# KiCad board kimotor-project.kicad_pcb (continued)
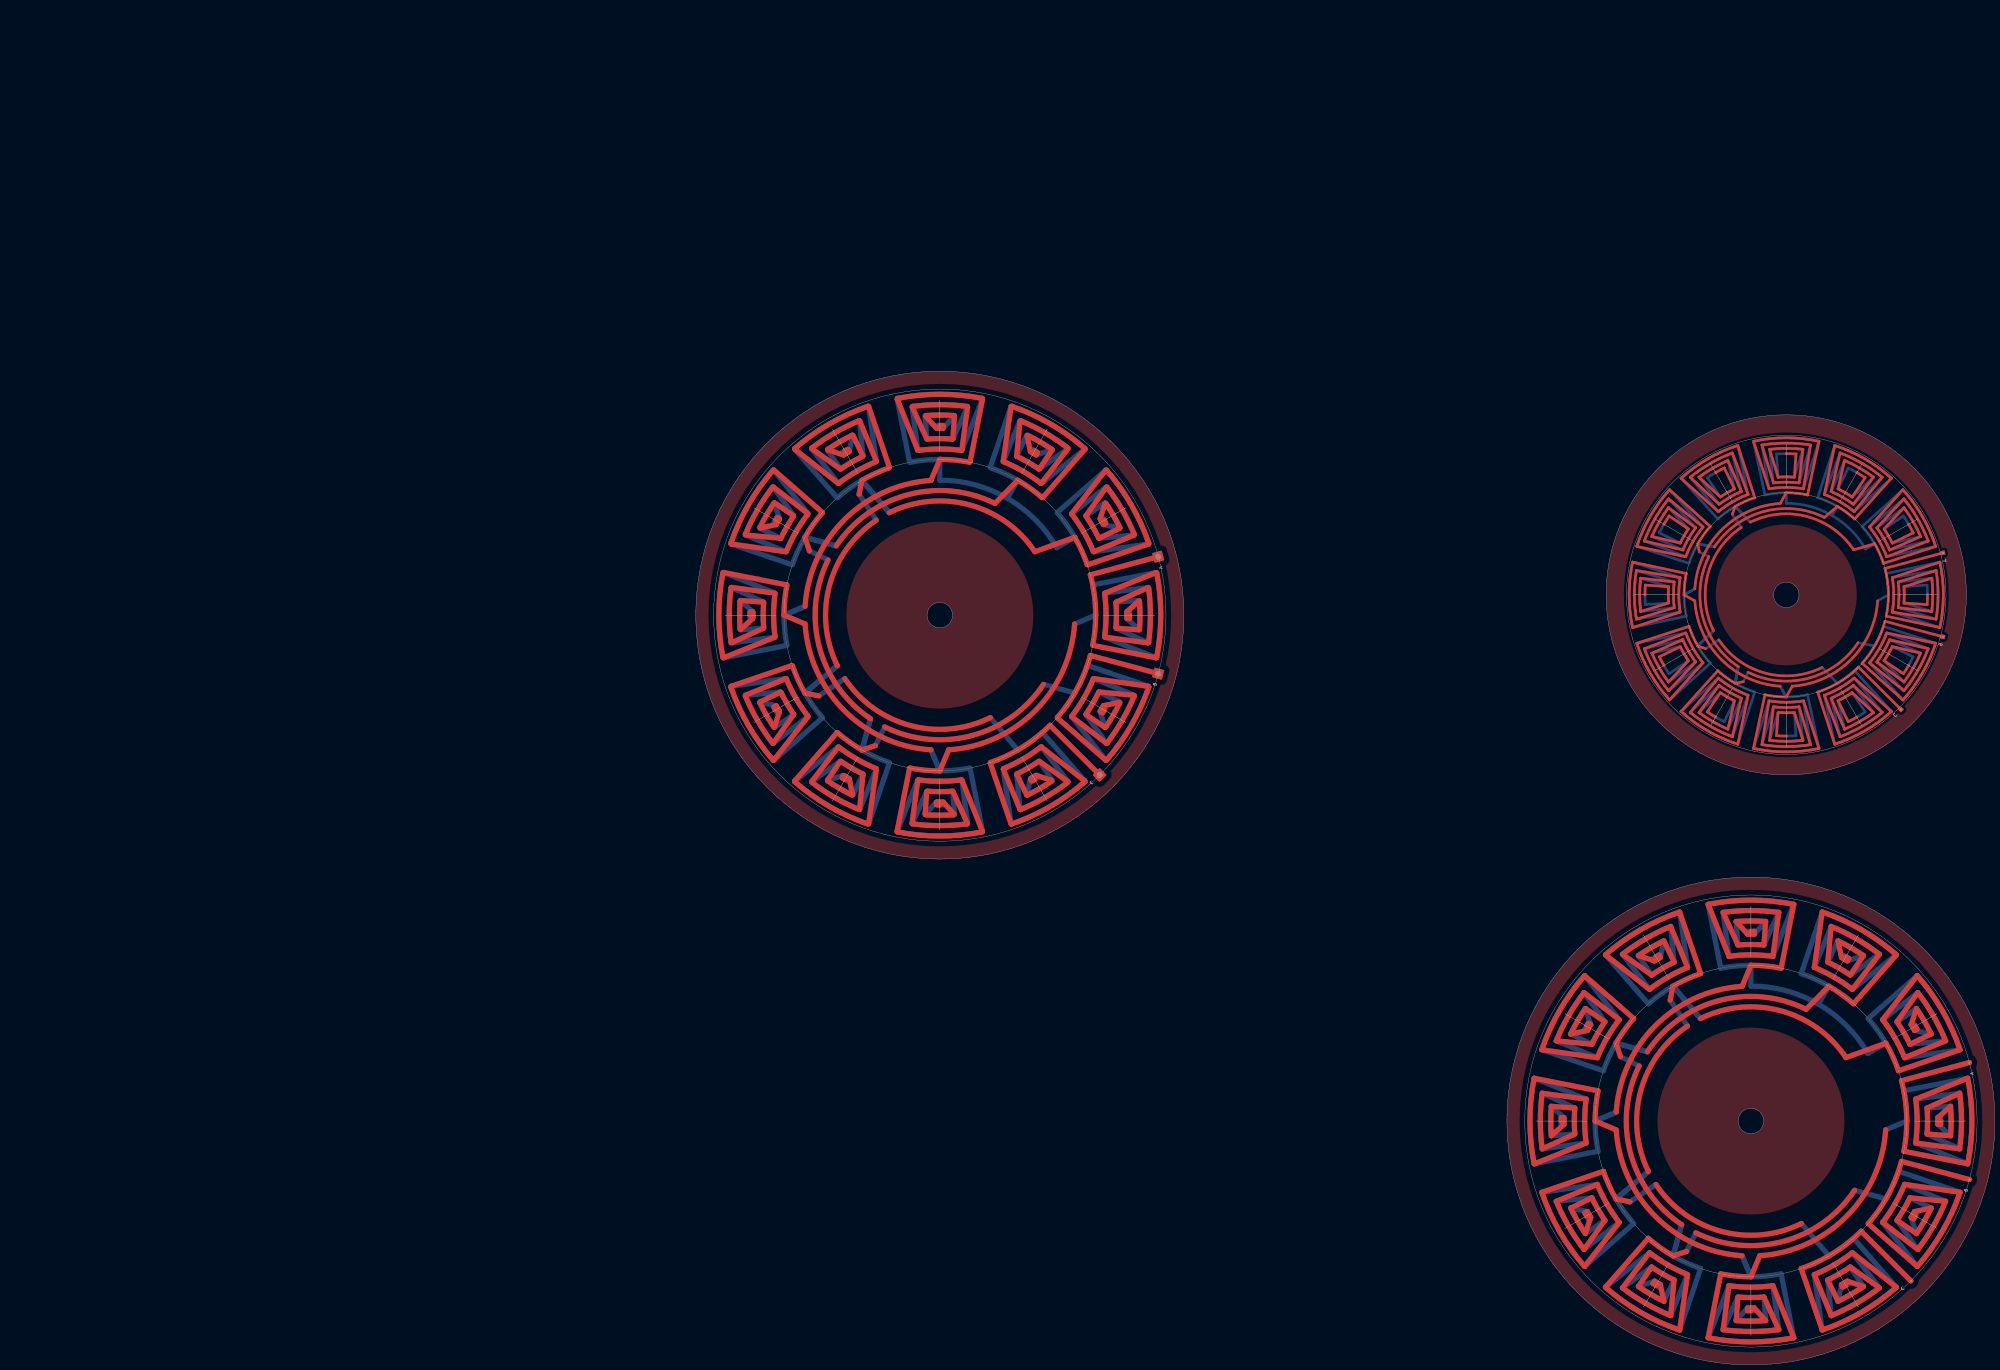
[diagram p0: board, top side]
## Routing (per net, layer and track width the routed paths; a pad name or vN(x,y) marks a point on that pad's centre or on a via; arc(x,y) is an arc through that point) (continued)
  In7.Cu w1.034: -193.41,387.36 -188.91,402.17 ; -193.41,387.36 -188.91,402.17 ; -193.41,387.36 -188.91,402.17 ; -193.41,387.36 -188.91,402.17 ; -193.41,387.36 -188.91,402.17 ; -193.41,387.36 -188.91,402.17 ; -193.41,387.36 -188.91,402.17 ; -193.41,387.36 arc(-183.89,386.59) -174.37,387.36 ; -193.41,387.36 arc(-183.89,386.59) -174.37,387.36 ; -193.41,387.36 arc(-183.89,386.59) -174.37,387.36 ; -193.41,387.36 arc(-183.89,386.59) -174.37,387.36 ; -193.41,387.36 arc(-183.89,386.59) -174.37,387.36 ; -193.41,387.36 arc(-183.89,386.59) -174.37,387.36 ; -193.41,387.36 arc(-183.89,386.59) -174.37,387.36 ; -188.91,402.17 -193.33,387.85 ; -188.91,402.17 -193.33,387.85 ; -188.91,402.17 arc(-183.89,401.89) -178.87,402.17 ; -188.91,402.17 arc(-183.89,401.89) -178.87,402.17 ; -188.91,402.17 arc(-183.89,401.89) -178.87,402.17 ; -188.91,402.17 arc(-183.89,401.89) -178.87,402.17 ; -188.91,402.17 arc(-183.89,401.89) -178.87,402.17 ; -188.91,402.17 arc(-183.89,401.89) -178.87,402.17 ; -188.91,402.17 arc(-183.89,401.89) -178.87,402.17 ; -188.91,402.17 arc(-183.89,401.89) -178.87,402.17 ; -188.91,402.17 arc(-183.89,401.89) -178.87,402.17 ; -190.63,487.55 -193.41,504.69 ; -190.63,487.55 -193.41,504.69 ; -190.63,487.55 -193.33,504.19 ; -190.63,487.55 -193.41,504.69 ; -190.63,487.55 -193.41,504.69 ; -190.63,487.55 -193.41,504.69 ; -190.63,487.55 -193.41,504.69 ; -190.63,487.55 -193.41,504.69 ; -190.63,487.55 -193.33,504.19 ; -190.63,487.55 arc(-183.89,488.09) -177.15,487.55 ; -190.63,487.55 arc(-183.89,488.09) -177.15,487.55 ; -190.63,487.55 arc(-183.89,488.09) -177.15,487.55 ; -190.63,487.55 arc(-183.89,488.09) -177.15,487.55 ; -190.63,487.55 arc(-183.89,488.09) -177.15,487.55 ; -190.63,487.55 arc(-183.89,488.09) -177.15,487.55 ; -190.63,487.55 arc(-183.89,488.09) -177.15,487.55 ; -190.63,487.55 arc(-183.89,488.09) -177.15,487.55 ; -190.63,487.55 arc(-183.89,488.09) -177.15,487.55 ; -193.41,504.69 arc(-183.89,505.45) -174.37,504.69 ; -193.41,504.69 arc(-183.89,505.45) -174.37,504.69 ; -193.41,504.69 arc(-183.89,505.45) -174.37,504.69 ; -193.41,504.69 arc(-183.89,505.45) -174.37,504.69 ; -193.41,504.69 arc(-183.89,505.45) -174.37,504.69 ; -193.41,504.69 arc(-183.89,505.45) -174.37,504.69 ; -193.41,504.69 arc(-183.89,505.45) -174.37,504.69 ; -154.18,472.81 -138.21,487.2 ; -154.18,472.81 -138.21,487.2 ; -154.18,472.81 -138.21,487.2 ; -154.18,472.81 -138.21,487.2 ; -154.18,472.81 -138.58,486.87 ; -154.18,472.81 -138.21,487.2 ; -154.18,472.81 -138.21,487.2 ; -154.18,472.81 -138.21,487.2 ; -154.18,472.81 -138.58,486.87 ; -154.18,472.81 arc(-146.94,461.33) -149.25,466.02 ; -154.18,472.81 arc(-146.94,461.33) -149.25,466.02 ; -154.18,472.81 arc(-146.94,461.33) -149.25,466.02 ; -154.18,472.81 arc(-146.94,461.33) -149.25,466.02 ; -154.18,472.81 arc(-146.94,461.33) -149.25,466.02 ; -154.18,472.81 arc(-146.94,461.33) -149.25,466.02 ; -154.18,472.81 arc(-146.94,461.33) -149.25,466.02 ; -154.18,472.81 arc(-146.94,461.33) -149.25,466.02 ; -154.18,472.81 arc(-146.94,461.33) -149.25,466.02 ; -138.21,487.2 arc(-130.63,476.77) -125.39,464.99 ; -138.21,487.2 arc(-130.63,476.77) -125.39,464.99 ; -138.21,487.2 arc(-130.63,476.77) -125.39,464.99 ; -138.21,487.2 arc(-130.63,476.77) -125.39,464.99 ; -138.21,487.2 arc(-130.63,476.77) -125.39,464.99 ; -138.21,487.2 arc(-130.63,476.77) -125.39,464.99 ; -138.21,487.2 arc(-130.63,476.77) -125.39,464.99 ; -162.8,390.46 -166.31,405.54 ; -162.8,390.46 -166.31,405.54 ; -162.8,390.46 -166.31,405.54 ; -162.8,390.46 -166.31,405.54 ; -162.8,390.46 -166.31,405.54 ; -162.8,390.46 -166.31,405.54 ; -162.8,390.46 -166.31,405.54 ; -162.8,390.46 arc(-154.17,394.55) -146.31,399.98 ; -162.8,390.46 arc(-154.17,394.55) -146.31,399.98 ; -162.8,390.46 arc(-154.17,394.55) -146.31,399.98 ; -162.8,390.46 arc(-154.17,394.55) -146.31,399.98 ; -162.8,390.46 arc(-154.17,394.55) -146.31,399.98 ; -162.8,390.46 arc(-154.17,394.55) -146.31,399.98 ; -162.8,390.46 arc(-154.17,394.55) -146.31,399.98 ; -166.31,405.54 -162.98,390.92 ; -166.31,405.54 -162.98,390.92 ; -166.31,405.54 arc(-161.82,407.8) -157.62,410.56 ; -166.31,405.54 arc(-161.82,407.8) -157.62,410.56 ; -166.31,405.54 arc(-161.82,407.8) -157.62,410.56 ; -166.31,405.54 arc(-161.82,407.8) -157.62,410.56 ; -166.31,405.54 arc(-161.82,407.8) -157.62,410.56 ; -166.31,405.54 arc(-161.82,407.8) -157.62,410.56 ; -166.31,405.54 arc(-161.82,407.8) -157.62,410.56 ; -166.31,405.54 arc(-161.82,407.8) -157.62,410.56 ; -166.31,405.54 arc(-161.82,407.8) -157.62,410.56 ; -221.94,458.36 -242.39,464.99 ; -221.94,458.36 -242.39,464.99 ; -221.94,458.36 -242.39,464.99 ; -221.94,458.36 -241.92,464.83 ; -221.94,458.36 -242.39,464.99 ; -221.94,458.36 -242.39,464.99 ; -221.94,458.36 -242.39,464.99 ; -221.94,458.36 -242.39,464.99 ; -221.94,458.36 -241.92,464.83 ; -221.94,458.36 arc(-215.62,470.37) -218.53,466.02 ; -221.94,458.36 arc(-215.62,470.37) -218.53,466.02 ; -221.94,458.36 arc(-215.62,470.37) -218.53,466.02 ; -221.94,458.36 arc(-215.62,470.37) -218.53,466.02 ; -221.94,458.36 arc(-215.62,470.37) -218.53,466.02 ; -221.94,458.36 arc(-215.62,470.37) -218.53,466.02 ; -221.94,458.36 arc(-215.62,470.37) -218.53,466.02 ; -221.94,458.36 arc(-215.62,470.37) -218.53,466.02 ; -221.94,458.36 arc(-215.62,470.37) -218.53,466.02 ; -242.39,464.99 arc(-237.15,476.77) -229.57,487.2 ; -242.39,464.99 arc(-237.15,476.77) -229.57,487.2 ; -242.39,464.99 arc(-237.15,476.77) -229.57,487.2 ; -242.39,464.99 arc(-237.15,476.77) -229.57,487.2 ; -242.39,464.99 arc(-237.15,476.77) -229.57,487.2 ; -242.39,464.99 arc(-237.15,476.77) -229.57,487.2 ; -242.39,464.99 arc(-237.15,476.77) -229.57,487.2 ; -221.47,399.98 -210.16,410.56 ; -221.47,399.98 -210.16,410.56 ; -221.47,399.98 -210.16,410.56 ; -221.47,399.98 -210.16,410.56 ; -221.47,399.98 -210.16,410.56 ; -221.47,399.98 -210.16,410.56 ; -221.47,399.98 -210.16,410.56 ; -221.47,399.98 arc(-213.61,394.55) -204.98,390.46 ; -221.47,399.98 arc(-213.61,394.55) -204.98,390.46 ; -221.47,399.98 arc(-213.61,394.55) -204.98,390.46 ; -221.47,399.98 arc(-213.61,394.55) -204.98,390.46 ; -221.47,399.98 arc(-213.61,394.55) -204.98,390.46 ; -221.47,399.98 arc(-213.61,394.55) -204.98,390.46 ; -221.47,399.98 arc(-213.61,394.55) -204.98,390.46 ; -210.16,410.56 -221.15,400.36 ; -210.16,410.56 -221.15,400.36 ; -210.16,410.56 arc(-205.96,407.8) -201.47,405.54 ; -210.16,410.56 arc(-205.96,407.8) -201.47,405.54 ; -210.16,410.56 arc(-205.96,407.8) -201.47,405.54 ; -210.16,410.56 arc(-205.96,407.8) -201.47,405.54 ; -210.16,410.56 arc(-205.96,407.8) -201.47,405.54 ; -210.16,410.56 arc(-205.96,407.8) -201.47,405.54 ; -210.16,410.56 arc(-205.96,407.8) -201.47,405.54 ; -210.16,410.56 arc(-205.96,407.8) -201.47,405.54 ; -210.16,410.56 arc(-205.96,407.8) -201.47,405.54 ; -126.9,439.49 -137.8,442.82 ; -126.9,439.49 -137.8,442.82 ; -126.9,439.49 -137.8,442.82 ; -126.9,439.49 -137.8,442.82 ; -126.9,439.49 -137.8,442.82 ; -126.9,439.49 -137.8,442.82 ; -126.9,439.49 -137.8,442.82 ; -126.9,439.49 arc(-126.53,446.02) -126.9,452.55 ; -126.9,439.49 arc(-126.53,446.02) -126.9,452.55 ; -126.9,439.49 arc(-126.53,446.02) -126.9,452.55 ; -126.9,439.49 arc(-126.53,446.02) -126.9,452.55 ; -126.9,439.49 arc(-126.53,446.02) -126.9,452.55 ; -126.9,439.49 arc(-126.53,446.02) -126.9,452.55 ; -126.9,439.49 arc(-126.53,446.02) -126.9,452.55 ; -137.8,442.82 -127.4,439.55 ; -137.8,442.82 -127.4,439.55 ; -137.8,442.82 arc(-137.69,446.02) -137.8,449.22 ; -137.8,442.82 arc(-137.69,446.02) -137.8,449.22 ; -137.8,442.82 arc(-137.69,446.02) -137.8,449.22 ; -137.8,442.82 arc(-137.69,446.02) -137.8,449.22 ; -137.8,442.82 arc(-137.69,446.02) -137.8,449.22 ; -137.8,442.82 arc(-137.69,446.02) -137.8,449.22 ; -137.8,442.82 arc(-137.69,446.02) -137.8,449.22 ; -137.8,442.82 arc(-137.69,446.02) -137.8,449.22 ; -137.8,442.82 arc(-137.69,446.02) -137.8,449.22 ; -236.51,423.18 -225.41,425.74 ; -236.51,423.18 -225.41,425.74 ; -236.51,423.18 -225.41,425.74 ; -236.51,423.18 -225.41,425.74 ; -236.51,423.18 -225.41,425.74 ; -236.51,423.18 -225.41,425.74 ; -236.51,423.18 -225.41,425.74 ; -236.51,423.18 arc(-233.57,417.34) -229.98,411.87 ; -236.51,423.18 arc(-233.57,417.34) -229.98,411.87 ; -236.51,423.18 arc(-233.57,417.34) -229.98,411.87 ; -236.51,423.18 arc(-233.57,417.34) -229.98,411.87 ; -236.51,423.18 arc(-233.57,417.34) -229.98,411.87 ; -236.51,423.18 arc(-233.57,417.34) -229.98,411.87 ; -236.51,423.18 arc(-233.57,417.34) -229.98,411.87 ; -225.41,425.74 -236.05,423.38 ; -225.41,425.74 -236.05,423.38 ; -225.41,425.74 arc(-223.9,422.92) -222.21,420.21 ; -225.41,425.74 arc(-223.9,422.92) -222.21,420.21 ; -225.41,425.74 arc(-223.9,422.92) -222.21,420.21 ; -225.41,425.74 arc(-223.9,422.92) -222.21,420.21 ; -225.41,425.74 arc(-223.9,422.92) -222.21,420.21 ; -225.41,425.74 arc(-223.9,422.92) -222.21,420.21 ; -225.41,425.74 arc(-223.9,422.92) -222.21,420.21 ; -225.41,425.74 arc(-223.9,422.92) -222.21,420.21 ; -225.41,425.74 arc(-223.9,422.92) -222.21,420.21 ; -229.98,480.17 -222.21,471.84 ; -229.98,480.17 -222.21,471.84 ; -229.98,480.17 -222.21,471.84 ; -229.98,480.17 -222.21,471.84 ; -229.98,480.17 -222.21,471.84 ; -229.98,480.17 -222.21,471.84 ; -229.98,480.17 -222.21,471.84 ; -229.98,480.17 arc(-233.57,474.7) -236.51,468.87 ; -229.98,480.17 arc(-233.57,474.7) -236.51,468.87 ; -229.98,480.17 arc(-233.57,474.7) -236.51,468.87 ; -229.98,480.17 arc(-233.57,474.7) -236.51,468.87 ; -229.98,480.17 arc(-233.57,474.7) -236.51,468.87 ; -229.98,480.17 arc(-233.57,474.7) -236.51,468.87 ; -229.98,480.17 arc(-233.57,474.7) -236.51,468.87 ; -222.21,471.84 -229.58,479.87 ; -222.21,471.84 -229.58,479.87 ; -222.21,471.84 arc(-223.9,469.12) -225.41,466.3 ; -222.21,471.84 arc(-223.9,469.12) -225.41,466.3 ; -222.21,471.84 arc(-223.9,469.12) -225.41,466.3 ; -222.21,471.84 arc(-223.9,469.12) -225.41,466.3 ; -222.21,471.84 arc(-223.9,469.12) -225.41,466.3 ; -222.21,471.84 arc(-223.9,469.12) -225.41,466.3 ; -222.21,471.84 arc(-223.9,469.12) -225.41,466.3 ; -222.21,471.84 arc(-223.9,469.12) -225.41,466.3 ; -222.21,471.84 arc(-223.9,469.12) -225.41,466.3 ; -196.23,407.97 -202.7,388 ; -196.23,407.97 -202.86,387.52 ; -196.23,407.97 -202.86,387.52 ; -196.23,407.97 -202.86,387.52 ; -196.23,407.97 -202.86,387.52 ; -196.23,407.97 -202.86,387.52 ; -196.23,407.97 -202.86,387.52 ; -196.23,407.97 -202.86,387.52 ; -196.23,407.97 -202.7,388 ; -196.23,407.97 arc(-208.24,414.29) -203.89,411.38 ; -196.23,407.97 arc(-208.24,414.29) -203.89,411.38 ; -196.23,407.97 arc(-208.24,414.29) -203.89,411.38 ; -196.23,407.97 arc(-208.24,414.29) -203.89,411.38 ; -196.23,407.97 arc(-208.24,414.29) -203.89,411.38 ; -196.23,407.97 arc(-208.24,414.29) -203.89,411.38 ; -196.23,407.97 arc(-208.24,414.29) -203.89,411.38 ; -196.23,407.97 arc(-208.24,414.29) -203.89,411.38 ; -196.23,407.97 arc(-208.24,414.29) -203.89,411.38 ; -202.7,388 arc(-214.39,393.19) -224.74,400.72 ; -202.7,388 arc(-214.39,393.19) -224.74,400.72 ; -157.29,413.43 -146.31,399.98 ; -157.29,413.43 -146.63,400.36 ; -157.29,413.43 -146.63,400.36 ; -157.29,413.43 -146.31,399.98 ; -157.29,413.43 -146.31,399.98 ; -157.29,413.43 -146.31,399.98 ; -157.29,413.43 -146.31,399.98 ; -157.29,413.43 -146.31,399.98 ; -157.29,413.43 -146.31,399.98 ; -157.29,413.43 arc(-162.86,409.59) -168.96,406.69 ; -157.29,413.43 arc(-162.86,409.59) -168.96,406.69 ; -157.29,413.43 arc(-162.86,409.59) -168.96,406.69 ; -157.29,413.43 arc(-162.86,409.59) -168.96,406.69 ; -157.29,413.43 arc(-162.86,409.59) -168.96,406.69 ; -157.29,413.43 arc(-162.86,409.59) -168.96,406.69 ; -157.29,413.43 arc(-162.86,409.59) -168.96,406.69 ; -157.29,413.43 arc(-162.86,409.59) -168.96,406.69 ; -157.29,413.43 arc(-162.86,409.59) -168.96,406.69 ; -225.41,466.3 -233.58,470.29 ; -225.41,466.3 -233.58,470.29 ; -225.41,466.3 -233.58,470.29 ; -225.41,466.3 -233.58,470.29 ; -225.41,466.3 -233.58,470.29 ; -225.41,466.3 -233.58,470.29 ; -225.41,466.3 -233.13,470.07 ; -225.41,466.3 -233.13,470.07 ; -225.41,466.3 -233.58,470.29 ; -233.58,470.29 arc(-227.76,479.68) -231.78,473.67 ; -233.58,470.29 arc(-227.76,479.68) -231.78,473.67 ; -233.58,470.29 arc(-227.76,479.68) -231.78,473.67 ; -233.58,470.29 arc(-227.76,479.68) -231.78,473.67 ; -233.58,470.29 arc(-227.76,479.68) -231.78,473.67 ; -233.58,470.29 arc(-227.76,479.68) -231.78,473.67 ; -233.58,470.29 arc(-227.76,479.68) -231.78,473.67 ; -198.82,406.69 -204.98,390.46 ; -198.82,406.69 -204.98,390.46 ; -198.82,406.69 -204.98,390.46 ; -198.82,406.69 -204.8,390.92 ; -198.82,406.69 -204.98,390.46 ; -198.82,406.69 -204.98,390.46 ; -198.82,406.69 -204.8,390.92 ; -198.82,406.69 -204.98,390.46 ; -198.82,406.69 -204.98,390.46 ; -198.82,406.69 arc(-204.92,409.59) -210.49,413.43 ; -198.82,406.69 arc(-204.92,409.59) -210.49,413.43 ; -198.82,406.69 arc(-204.92,409.59) -210.49,413.43 ; -198.82,406.69 arc(-204.92,409.59) -210.49,413.43 ; -198.82,406.69 arc(-204.92,409.59) -210.49,413.43 ; -198.82,406.69 arc(-204.92,409.59) -210.49,413.43 ; -198.82,406.69 arc(-204.92,409.59) -210.49,413.43 ; -198.82,406.69 arc(-204.92,409.59) -210.49,413.43 ; -198.82,406.69 arc(-204.92,409.59) -210.49,413.43 ; -216.48,419.42 -229.93,408.44 ; -216.48,419.42 -229.93,408.44 ; -216.48,419.42 -229.55,408.76 ; -216.48,419.42 -229.93,408.44 ; -216.48,419.42 -229.93,408.44 ; -216.48,419.42 -229.93,408.44 ; -216.48,419.42 -229.93,408.44 ; -216.48,419.42 -229.93,408.44 ; -216.48,419.42 -229.55,408.76 ; -216.48,419.42 arc(-220.32,424.99) -223.22,431.1 ; -216.48,419.42 arc(-220.32,424.99) -223.22,431.1 ; -216.48,419.42 arc(-220.32,424.99) -223.22,431.1 ; -216.48,419.42 arc(-220.32,424.99) -223.22,431.1 ; -216.48,419.42 arc(-220.32,424.99) -223.22,431.1 ; -216.48,419.42 arc(-220.32,424.99) -223.22,431.1 ; -216.48,419.42 arc(-220.32,424.99) -223.22,431.1 ; -216.48,419.42 arc(-220.32,424.99) -223.22,431.1 ; -216.48,419.42 arc(-220.32,424.99) -223.22,431.1 ; -229.93,408.44 arc(-235.36,416.31) -239.46,424.94 ; -229.93,408.44 arc(-235.36,416.31) -239.46,424.94 ; -229.93,408.44 arc(-235.36,416.31) -239.46,424.94 ; -229.93,408.44 arc(-235.36,416.31) -239.46,424.94 ; -229.93,408.44 arc(-235.36,416.31) -239.46,424.94 ; -229.93,408.44 arc(-235.36,416.31) -239.46,424.94 ; -229.93,408.44 arc(-235.36,416.31) -239.46,424.94 ; -164.92,387.52 -168.96,406.69 ; -164.92,387.52 -168.96,406.69 ; -164.92,387.52 -168.96,406.69 ; -164.92,387.52 -168.96,406.69 ; -164.92,387.52 -168.96,406.69 ; -164.92,387.52 -168.96,406.69 ; -164.92,387.52 -168.96,406.69 ; -164.92,387.52 arc(-153.14,392.76) -142.71,400.34 ; -164.92,387.52 arc(-153.14,392.76) -142.71,400.34 ; -164.92,387.52 arc(-153.14,392.76) -142.71,400.34 ; -164.92,387.52 arc(-153.14,392.76) -142.71,400.34 ; -164.92,387.52 arc(-153.14,392.76) -142.71,400.34 ; -164.92,387.52 arc(-153.14,392.76) -142.71,400.34 ; -164.92,387.52 arc(-153.14,392.76) -142.71,400.34 ; -168.96,406.69 -165.08,388 ; -168.96,406.69 -165.08,388 ; -177.15,404.5 -174.37,387.36 ; -177.15,404.5 -174.37,387.36 ; -177.15,404.5 -174.37,387.36 ; -177.15,404.5 -174.37,387.36 ; -177.15,404.5 -174.37,387.36 ; -177.15,404.5 -174.37,387.36 ; -177.15,404.5 -174.37,387.36 ; -177.15,404.5 -174.45,387.85 ; -177.15,404.5 -174.45,387.85 ; -177.15,404.5 arc(-183.89,403.95) -190.63,404.5 ; -177.15,404.5 arc(-183.89,403.95) -190.63,404.5 ; -177.15,404.5 arc(-183.89,403.95) -190.63,404.5 ; -177.15,404.5 arc(-183.89,403.95) -190.63,404.5 ; -177.15,404.5 arc(-183.89,403.95) -190.63,404.5 ; -177.15,404.5 arc(-183.89,403.95) -190.63,404.5 ; -177.15,404.5 arc(-183.89,403.95) -190.63,404.5 ; -177.15,404.5 arc(-183.89,403.95) -190.63,404.5 ; -177.15,404.5 arc(-183.89,403.95) -190.63,404.5 ; -131.27,468.87 -142.37,466.3 ; -131.27,468.87 -142.37,466.3 ; -131.27,468.87 -142.37,466.3 ; -131.27,468.87 -142.37,466.3 ; -131.27,468.87 -142.37,466.3 ; -131.27,468.87 -142.37,466.3 ; -131.27,468.87 -142.37,466.3 ; -131.27,468.87 arc(-134.21,474.7) -137.8,480.17 ; -131.27,468.87 arc(-134.21,474.7) -137.8,480.17 ; -131.27,468.87 arc(-134.21,474.7) -137.8,480.17 ; -131.27,468.87 arc(-134.21,474.7) -137.8,480.17 ; -131.27,468.87 arc(-134.21,474.7) -137.8,480.17 ; -131.27,468.87 arc(-134.21,474.7) -137.8,480.17 ; -131.27,468.87 arc(-134.21,474.7) -137.8,480.17 ; -142.37,466.3 -131.73,468.67 ; -142.37,466.3 -131.73,468.67 ; -142.37,466.3 arc(-143.88,469.12) -145.57,471.84 ; -142.37,466.3 arc(-143.88,469.12) -145.57,471.84 ; -142.37,466.3 arc(-143.88,469.12) -145.57,471.84 ; -142.37,466.3 arc(-143.88,469.12) -145.57,471.84 ; -142.37,466.3 arc(-143.88,469.12) -145.57,471.84 ; -142.37,466.3 arc(-143.88,469.12) -145.57,471.84 ; -142.37,466.3 arc(-143.88,469.12) -145.57,471.84 ; -142.37,466.3 arc(-143.88,469.12) -145.57,471.84 ; -142.37,466.3 arc(-143.88,469.12) -145.57,471.84 ; -239.46,424.94 -224.38,428.45 ; -239.46,424.94 -224.38,428.45 ; -239.46,424.94 -224.38,428.45 ; -239.46,424.94 -224.38,428.45 ; -239.46,424.94 -224.38,428.45 ; -239.46,424.94 -224.38,428.45 ; -239.46,424.94 -224.38,428.45 ; -224.38,428.45 -238.99,425.11 ; -224.38,428.45 -238.99,425.11 ; -224.38,428.45 arc(-222.11,423.95) -219.35,419.75 ; -224.38,428.45 arc(-222.11,423.95) -219.35,419.75 ; -224.38,428.45 arc(-222.11,423.95) -219.35,419.75 ; -224.38,428.45 arc(-222.11,423.95) -219.35,419.75 ; -224.38,428.45 arc(-222.11,423.95) -219.35,419.75 ; -224.38,428.45 arc(-222.11,423.95) -219.35,419.75 ; -224.38,428.45 arc(-222.11,423.95) -219.35,419.75 ; -224.38,428.45 arc(-222.11,423.95) -219.35,419.75 ; -224.38,428.45 arc(-222.11,423.95) -219.35,419.75 ; -166.31,486.51 -161.05,498.64 ; -166.31,486.51 -161.05,498.64 ; -166.31,486.51 -161.05,498.64 ; -166.31,486.51 -161.25,498.18 ; -166.31,486.51 -161.25,498.18 ; -166.31,486.51 -161.05,498.64 ; -166.31,486.51 -161.05,498.64 ; -166.31,486.51 -161.05,498.64 ; -166.31,486.51 -161.05,498.64 ; -166.31,486.51 arc(-161.82,484.24) -157.62,481.49 ; -166.31,486.51 arc(-161.82,484.24) -157.62,481.49 ; -166.31,486.51 arc(-161.82,484.24) -157.62,481.49 ; -166.31,486.51 arc(-161.82,484.24) -157.62,481.49 ; -166.31,486.51 arc(-161.82,484.24) -157.62,481.49 ; -166.31,486.51 arc(-161.82,484.24) -157.62,481.49 ; -166.31,486.51 arc(-161.82,484.24) -157.62,481.49 ; -166.31,486.51 arc(-161.82,484.24) -157.62,481.49 ; -166.31,486.51 arc(-161.82,484.24) -157.62,481.49 ; -161.05,498.64 arc(-155.21,495.7) -149.74,492.11 ; -161.05,498.64 arc(-155.21,495.7) -149.74,492.11 ; -161.05,498.64 arc(-155.21,495.7) -149.74,492.11 ; -161.05,498.64 arc(-155.21,495.7) -149.74,492.11 ; -161.05,498.64 arc(-155.21,495.7) -149.74,492.11 ; -161.05,498.64 arc(-155.21,495.7) -149.74,492.11 ; -161.05,498.64 arc(-155.21,495.7) -149.74,492.11 ; -223.01,437.68 -243.55,433.3 ; -223.01,437.68 -244.04,433.2 ; -223.01,437.68 -244.04,433.2 ; -223.01,437.68 -244.04,433.2 ; -223.01,437.68 -244.04,433.2 ; -223.01,437.68 -244.04,433.2 ; -223.01,437.68 -244.04,433.2 ; -223.01,437.68 -244.04,433.2 ; -223.01,437.68 -243.55,433.3 ; -223.01,437.68 arc(-223.55,451.24) -223.89,446.02 ; -223.01,437.68 arc(-223.55,451.24) -223.89,446.02 ; -223.01,437.68 arc(-223.55,451.24) -223.89,446.02 ; -223.01,437.68 arc(-223.55,451.24) -223.89,446.02 ; -223.01,437.68 arc(-223.55,451.24) -223.89,446.02 ; -223.01,437.68 arc(-223.55,451.24) -223.89,446.02 ; -223.01,437.68 arc(-223.55,451.24) -223.89,446.02 ; -223.01,437.68 arc(-223.55,451.24) -223.89,446.02 ; -223.01,437.68 arc(-223.55,451.24) -223.89,446.02 ; -243.55,433.3 arc(-244.89,446.02) -243.55,458.74 ; -243.55,433.3 arc(-244.89,446.02) -243.55,458.74 ; -148.43,472.3 -138.2,479.87 ; -148.43,472.3 -137.8,480.17 ; -148.43,472.3 -137.8,480.17 ; -148.43,472.3 -137.8,480.17 ; -148.43,472.3 -138.2,479.87 ; -148.43,472.3 -137.8,480.17 ; -148.43,472.3 -137.8,480.17 ; -148.43,472.3 -137.8,480.17 ; -148.43,472.3 -137.8,480.17 ; -148.43,472.3 arc(-145.67,468.09) -143.41,463.6 ; -148.43,472.3 arc(-145.67,468.09) -143.41,463.6 ; -148.43,472.3 arc(-145.67,468.09) -143.41,463.6 ; -148.43,472.3 arc(-145.67,468.09) -143.41,463.6 ; -148.43,472.3 arc(-145.67,468.09) -143.41,463.6 ; -148.43,472.3 arc(-145.67,468.09) -143.41,463.6 ; -148.43,472.3 arc(-145.67,468.09) -143.41,463.6 ; -148.43,472.3 arc(-145.67,468.09) -143.41,463.6 ; -148.43,472.3 arc(-145.67,468.09) -143.41,463.6 ; -138.2,479.87 arc(-134.64,474.45) -131.73,468.67 ; -138.2,479.87 arc(-134.64,474.45) -131.73,468.67 ; -223.22,460.95 -239.46,467.11 ; -223.22,460.95 -239.46,467.11 ; -223.22,460.95 -238.99,466.93 ; -223.22,460.95 -239.46,467.11 ; -223.22,460.95 -239.46,467.11 ; -223.22,460.95 -239.46,467.11 ; -223.22,460.95 -239.46,467.11 ; -223.22,460.95 -238.99,466.93 ; -223.22,460.95 -239.46,467.11 ; -223.22,460.95 arc(-220.32,467.06) -216.48,472.62 ; -223.22,460.95 arc(-220.32,467.06) -216.48,472.62 ; -223.22,460.95 arc(-220.32,467.06) -216.48,472.62 ; -223.22,460.95 arc(-220.32,467.06) -216.48,472.62 ; -223.22,460.95 arc(-220.32,467.06) -216.48,472.62 ; -223.22,460.95 arc(-220.32,467.06) -216.48,472.62 ; -223.22,460.95 arc(-220.32,467.06) -216.48,472.62 ; -223.22,460.95 arc(-220.32,467.06) -216.48,472.62 ; -223.22,460.95 arc(-220.32,467.06) -216.48,472.62 ; -239.46,467.11 arc(-235.36,475.74) -229.93,483.6 ; -239.46,467.11 arc(-235.36,475.74) -229.93,483.6 ; -239.46,467.11 arc(-235.36,475.74) -229.93,483.6 ; -239.46,467.11 arc(-235.36,475.74) -229.93,483.6 ; -239.46,467.11 arc(-235.36,475.74) -229.93,483.6 ; -239.46,467.11 arc(-235.36,475.74) -229.93,483.6 ; -239.46,467.11 arc(-235.36,475.74) -229.93,483.6 ; -210.67,475.73 -225.07,491.7 ; -210.67,475.73 -225.07,491.7 ; -210.67,475.73 -225.07,491.7 ; -210.67,475.73 -224.74,491.33 ; -210.67,475.73 -225.07,491.7 ; -210.67,475.73 -225.07,491.7 ; -210.67,475.73 -224.74,491.33 ; -210.67,475.73 -225.07,491.7 ; -210.67,475.73 -225.07,491.7 ; -210.67,475.73 arc(-199.2,482.98) -203.89,480.66 ; -210.67,475.73 arc(-199.2,482.98) -203.89,480.66 ; -210.67,475.73 arc(-199.2,482.98) -203.89,480.66 ; -210.67,475.73 arc(-199.2,482.98) -203.89,480.66 ; -210.67,475.73 arc(-199.2,482.98) -203.89,480.66 ; -210.67,475.73 arc(-199.2,482.98) -203.89,480.66 ; -210.67,475.73 arc(-199.2,482.98) -203.89,480.66 ; -210.67,475.73 arc(-199.2,482.98) -203.89,480.66 ; -210.67,475.73 arc(-199.2,482.98) -203.89,480.66 ; -225.07,491.7 arc(-214.64,499.28) -202.86,504.52 ; -225.07,491.7 arc(-214.64,499.28) -202.86,504.52 ; -225.07,491.7 arc(-214.64,499.28) -202.86,504.52 ; -225.07,491.7 arc(-214.64,499.28) -202.86,504.52 ; -225.07,491.7 arc(-214.64,499.28) -202.86,504.52 ; -225.07,491.7 arc(-214.64,499.28) -202.86,504.52 ; -225.07,491.7 arc(-214.64,499.28) -202.86,504.52 ; -210.16,481.49 -218.04,492.11 ; -210.16,481.49 -218.04,492.11 ; -210.16,481.49 -218.04,492.11 ; -210.16,481.49 -218.04,492.11 ; -210.16,481.49 -218.04,492.11 ; -210.16,481.49 -217.74,491.71 ; -210.16,481.49 -218.04,492.11 ; -210.16,481.49 -217.74,491.71 ; -210.16,481.49 -218.04,492.11 ; -210.16,481.49 arc(-205.96,484.24) -201.47,486.51 ; -210.16,481.49 arc(-205.96,484.24) -201.47,486.51 ; -210.16,481.49 arc(-205.96,484.24) -201.47,486.51 ; -210.16,481.49 arc(-205.96,484.24) -201.47,486.51 ; -210.16,481.49 arc(-205.96,484.24) -201.47,486.51 ; -210.16,481.49 arc(-205.96,484.24) -201.47,486.51 ; -210.16,481.49 arc(-205.96,484.24) -201.47,486.51 ; -210.16,481.49 arc(-205.96,484.24) -201.47,486.51 ; -210.16,481.49 arc(-205.96,484.24) -201.47,486.51 ; -218.04,492.11 arc(-212.57,495.7) -206.73,498.64 ; -218.04,492.11 arc(-212.57,495.7) -206.73,498.64 ; -218.04,492.11 arc(-212.57,495.7) -206.73,498.64 ; -218.04,492.11 arc(-212.57,495.7) -206.73,498.64 ; -218.04,492.11 arc(-212.57,495.7) -206.73,498.64 ; -218.04,492.11 arc(-212.57,495.7) -206.73,498.64 ; -218.04,492.11 arc(-212.57,495.7) -206.73,498.64 ; -137.8,411.87 -145.57,420.21 ; -137.8,411.87 -145.57,420.21 ; -137.8,411.87 -145.57,420.21 ; -137.8,411.87 -145.57,420.21 ; -137.8,411.87 -145.57,420.21 ; -137.8,411.87 -145.57,420.21 ; -137.8,411.87 -145.57,420.21 ; -137.8,411.87 arc(-134.21,417.34) -131.27,423.18 ; -137.8,411.87 arc(-134.21,417.34) -131.27,423.18 ; -137.8,411.87 arc(-134.21,417.34) -131.27,423.18 ; -137.8,411.87 arc(-134.21,417.34) -131.27,423.18 ; -137.8,411.87 arc(-134.21,417.34) -131.27,423.18 ; -137.8,411.87 arc(-134.21,417.34) -131.27,423.18 ; -137.8,411.87 arc(-134.21,417.34) -131.27,423.18 ; -145.57,420.21 -138.2,412.17 ; -145.57,420.21 -138.2,412.17 ; -145.57,420.21 arc(-143.88,422.92) -142.37,425.74 ; -145.57,420.21 arc(-143.88,422.92) -142.37,425.74 ; -145.57,420.21 arc(-143.88,422.92) -142.37,425.74 ; -145.57,420.21 arc(-143.88,422.92) -142.37,425.74 ; -145.57,420.21 arc(-143.88,422.92) -142.37,425.74 ; -145.57,420.21 arc(-143.88,422.92) -142.37,425.74 ; -145.57,420.21 arc(-143.88,422.92) -142.37,425.74 ; -145.57,420.21 arc(-143.88,422.92) -142.37,425.74 ; -145.57,420.21 arc(-143.88,422.92) -142.37,425.74 ; -125.86,464.83 -144.56,460.95 ; -125.86,464.83 -144.56,460.95 ; -125.86,464.83 arc(-131.06,476.52) -138.58,486.87 ; -125.86,464.83 arc(-131.06,476.52) -138.58,486.87 ; -144.56,460.95 -125.39,464.99 ; -144.56,460.95 -125.39,464.99 ; -144.56,460.95 -125.39,464.99 ; -144.56,460.95 -125.39,464.99 ; -144.56,460.95 -125.39,464.99 ; -144.56,460.95 -125.39,464.99 ; -144.56,460.95 -125.39,464.99 ; -144.56,460.95 arc(-147.46,467.06) -151.3,472.62 ; -144.56,460.95 arc(-147.46,467.06) -151.3,472.62 ; -144.56,460.95 arc(-147.46,467.06) -151.3,472.62 ; -144.56,460.95 arc(-147.46,467.06) -151.3,472.62 ; -144.56,460.95 arc(-147.46,467.06) -151.3,472.62 ; -144.56,460.95 arc(-147.46,467.06) -151.3,472.62 ; -144.56,460.95 arc(-147.46,467.06) -151.3,472.62 ; -144.56,460.95 arc(-147.46,467.06) -151.3,472.62 ; -144.56,460.95 arc(-147.46,467.06) -151.3,472.62 ; -243.55,458.74 -225.42,452.76 ; -243.55,458.74 -225.42,452.76 ; -225.42,452.76 -244.04,458.85 ; -225.42,452.76 -244.04,458.85 ; -225.42,452.76 -244.04,458.85 ; -225.42,452.76 -244.04,458.85 ; -225.42,452.76 -244.04,458.85 ; -225.42,452.76 -244.04,458.85 ; -225.42,452.76 -244.04,458.85 ; -225.42,452.76 arc(-225.96,446.02) -225.42,439.28 ; -225.42,452.76 arc(-225.96,446.02) -225.42,439.28 ; -225.42,452.76 arc(-225.96,446.02) -225.42,439.28 ; -225.42,452.76 arc(-225.96,446.02) -225.42,439.28 ; -225.42,452.76 arc(-225.96,446.02) -225.42,439.28 ; -225.42,452.76 arc(-225.96,446.02) -225.42,439.28 ; -225.42,452.76 arc(-225.96,446.02) -225.42,439.28 ; -225.42,452.76 arc(-225.96,446.02) -225.42,439.28 ; -225.42,452.76 arc(-225.96,446.02) -225.42,439.28 ; -192.23,485.14 -196.72,506.17 ; -192.23,485.14 -196.72,506.17 ; -192.23,485.14 -196.72,506.17 ; -192.23,485.14 -196.72,506.17 ; -192.23,485.14 -196.72,506.17 ; -192.23,485.14 -196.61,505.68 ; -192.23,485.14 -196.72,506.17 ; -192.23,485.14 -196.61,505.68 ; -192.23,485.14 -196.72,506.17 ; -192.23,485.14 arc(-178.67,485.68) -183.89,486.02 ; -192.23,485.14 arc(-178.67,485.68) -183.89,486.02 ; -192.23,485.14 arc(-178.67,485.68) -183.89,486.02 ; -192.23,485.14 arc(-178.67,485.68) -183.89,486.02 ; -192.23,485.14 arc(-178.67,485.68) -183.89,486.02 ; -192.23,485.14 arc(-178.67,485.68) -183.89,486.02 ; -192.23,485.14 arc(-178.67,485.68) -183.89,486.02 ; -192.23,485.14 arc(-178.67,485.68) -183.89,486.02 ; -192.23,485.14 arc(-178.67,485.68) -183.89,486.02 ; -196.72,506.17 arc(-183.89,507.52) -171.07,506.17 ; -196.72,506.17 arc(-183.89,507.52) -171.07,506.17 ; -196.72,506.17 arc(-183.89,507.52) -171.07,506.17 ; -196.72,506.17 arc(-183.89,507.52) -171.07,506.17 ; -196.72,506.17 arc(-183.89,507.52) -171.07,506.17 ; -196.72,506.17 arc(-183.89,507.52) -171.07,506.17 ; -196.72,506.17 arc(-183.89,507.52) -171.07,506.17 ; -168.96,485.35 -162.98,501.12 ; -168.96,485.35 -162.8,501.59 ; -168.96,485.35 -162.8,501.59 ; -168.96,485.35 -162.8,501.59 ; -168.96,485.35 -162.8,501.59 ; -168.96,485.35 -162.98,501.12 ; -168.96,485.35 -162.8,501.59 ; -168.96,485.35 -162.8,501.59 ; -168.96,485.35 -162.8,501.59 ; -168.96,485.35 arc(-162.86,482.45) -157.29,478.61 ; -168.96,485.35 arc(-162.86,482.45) -157.29,478.61 ; -168.96,485.35 arc(-162.86,482.45) -157.29,478.61 ; -168.96,485.35 arc(-162.86,482.45) -157.29,478.61 ; -168.96,485.35 arc(-162.86,482.45) -157.29,478.61 ; -168.96,485.35 arc(-162.86,482.45) -157.29,478.61 ; -168.96,485.35 arc(-162.86,482.45) -157.29,478.61 ; -168.96,485.35 arc(-162.86,482.45) -157.29,478.61 ; -168.96,485.35 arc(-162.86,482.45) -157.29,478.61 ; -162.98,501.12 arc(-154.42,497.06) -146.63,491.68 ; -162.98,501.12 arc(-154.42,497.06) -146.63,491.68 ; -144.77,454.36 -123.74,458.85 ; -144.77,454.36 -124.23,458.74 ; -144.77,454.36 -123.74,458.85 ; -144.77,454.36 -123.74,458.85 ; -144.77,454.36 -123.74,458.85 ; -144.77,454.36 -123.74,458.85 ; -144.77,454.36 -123.74,458.85 ; -144.77,454.36 -123.74,458.85 ; -144.77,454.36 -124.23,458.74 ; -144.77,454.36 arc(-144.23,440.8) -143.89,446.02 ; -144.77,454.36 arc(-144.23,440.8) -143.89,446.02 ; -144.77,454.36 arc(-144.23,440.8) -143.89,446.02 ; -144.77,454.36 arc(-144.23,440.8) -143.89,446.02 ; -144.77,454.36 arc(-144.23,440.8) -143.89,446.02 ; -144.77,454.36 arc(-144.23,440.8) -143.89,446.02 ; -144.77,454.36 arc(-144.23,440.8) -143.89,446.02 ; -144.77,454.36 arc(-144.23,440.8) -143.89,446.02 ; -144.77,454.36 arc(-144.23,440.8) -143.89,446.02 ; -123.74,458.85 arc(-122.39,446.02) -123.74,433.2 ; -123.74,458.85 arc(-122.39,446.02) -123.74,433.2 ; -123.74,458.85 arc(-122.39,446.02) -123.74,433.2 ; -123.74,458.85 arc(-122.39,446.02) -123.74,433.2 ; -123.74,458.85 arc(-122.39,446.02) -123.74,433.2 ; -123.74,458.85 arc(-122.39,446.02) -123.74,433.2 ; -123.74,458.85 arc(-122.39,446.02) -123.74,433.2 ; -171.07,506.17 -177.15,487.55 ; -171.07,506.17 -177.15,487.55 ; -171.07,506.17 -177.15,487.55 ; -171.07,506.17 -177.15,487.55 ; -171.07,506.17 -177.15,487.55 ; -171.07,506.17 -177.15,487.55 ; -171.07,506.17 -177.15,487.55 ; -177.15,487.55 -171.17,505.68 ; -177.15,487.55 -171.17,505.68 ; -161.05,393.4 -163.61,404.51 ; -161.05,393.4 -163.61,404.51 ; -161.05,393.4 -163.61,404.51 ; -161.05,393.4 -163.61,404.51 ; -161.05,393.4 -163.61,404.51 ; -161.05,393.4 -163.61,404.51 ; -161.05,393.4 -163.61,404.51 ; -161.05,393.4 arc(-155.21,396.34) -149.74,399.93 ; -161.05,393.4 arc(-155.21,396.34) -149.74,399.93 ; -161.05,393.4 arc(-155.21,396.34) -149.74,399.93 ; -161.05,393.4 arc(-155.21,396.34) -149.74,399.93 ; -161.05,393.4 arc(-155.21,396.34) -149.74,399.93 ; -161.05,393.4 arc(-155.21,396.34) -149.74,399.93 ; -161.05,393.4 arc(-155.21,396.34) -149.74,399.93 ; -163.61,404.51 -161.25,393.86 ; -163.61,404.51 -161.25,393.86 ; -163.61,404.51 arc(-160.79,406.01) -158.08,407.7 ; -163.61,404.51 arc(-160.79,406.01) -158.08,407.7 ; -163.61,404.51 arc(-160.79,406.01) -158.08,407.7 ; -163.61,404.51 arc(-160.79,406.01) -158.08,407.7 ; -163.61,404.51 arc(-160.79,406.01) -158.08,407.7 ; -163.61,404.51 arc(-160.79,406.01) -158.08,407.7 ; -163.61,404.51 arc(-160.79,406.01) -158.08,407.7 ; -163.61,404.51 arc(-160.79,406.01) -158.08,407.7 ; -163.61,404.51 arc(-160.79,406.01) -158.08,407.7 ; -227.74,441 -240.88,439.49 ; -227.74,441 -240.88,439.49 ; -227.74,441 -240.88,439.49 ; -227.74,441 -240.39,439.55 ; -227.74,441 -240.88,439.49 ; -227.74,441 -240.88,439.49 ; -227.74,441 -240.88,439.49 ; -227.74,441 -240.39,439.55 ; -227.74,441 -240.88,439.49 ; -227.74,441 arc(-228.03,446.02) -227.74,451.04 ; -227.74,441 arc(-228.03,446.02) -227.74,451.04 ; -227.74,441 arc(-228.03,446.02) -227.74,451.04 ; -227.74,441 arc(-228.03,446.02) -227.74,451.04 ; -227.74,441 arc(-228.03,446.02) -227.74,451.04 ; -227.74,441 arc(-228.03,446.02) -227.74,451.04 ; -227.74,441 arc(-228.03,446.02) -227.74,451.04 ; -227.74,441 arc(-228.03,446.02) -227.74,451.04 ; -227.74,441 arc(-228.03,446.02) -227.74,451.04 ; -240.88,439.49 arc(-241.25,446.02) -240.88,452.55 ; -240.88,439.49 arc(-241.25,446.02) -240.88,452.55 ; -240.88,439.49 arc(-241.25,446.02) -240.88,452.55 ; -240.88,439.49 arc(-241.25,446.02) -240.88,452.55 ; -240.88,439.49 arc(-241.25,446.02) -240.88,452.55 ; -240.88,439.49 arc(-241.25,446.02) -240.88,452.55 ; -240.88,439.49 arc(-241.25,446.02) -240.88,452.55 ; -188.91,489.87 -190.42,503.01 ; -188.91,489.87 -190.36,502.52 ; -188.91,489.87 -190.42,503.01 ; -188.91,489.87 -190.42,503.01 ; -188.91,489.87 -190.42,503.01 ; -188.91,489.87 -190.42,503.01 ; -188.91,489.87 -190.36,502.52 ; -188.91,489.87 -190.42,503.01 ; -188.91,489.87 -190.42,503.01 ; -188.91,489.87 arc(-183.89,490.16) -178.87,489.87 ; -188.91,489.87 arc(-183.89,490.16) -178.87,489.87 ; -188.91,489.87 arc(-183.89,490.16) -178.87,489.87 ; -188.91,489.87 arc(-183.89,490.16) -178.87,489.87 ; -188.91,489.87 arc(-183.89,490.16) -178.87,489.87 ; -188.91,489.87 arc(-183.89,490.16) -178.87,489.87 ; -188.91,489.87 arc(-183.89,490.16) -178.87,489.87 ; -188.91,489.87 arc(-183.89,490.16) -178.87,489.87 ; -188.91,489.87 arc(-183.89,490.16) -178.87,489.87 ; -190.42,503.01 arc(-183.89,503.39) -177.36,503.01 ; -190.42,503.01 arc(-183.89,503.39) -177.36,503.01 ; -190.42,503.01 arc(-183.89,503.39) -177.36,503.01 ; -190.42,503.01 arc(-183.89,503.39) -177.36,503.01 ; -190.42,503.01 arc(-183.89,503.39) -177.36,503.01 ; -190.42,503.01 arc(-183.89,503.39) -177.36,503.01 ; -190.42,503.01 arc(-183.89,503.39) -177.36,503.01 ; -145.57,471.84 -138.03,476.92 ; -145.57,471.84 -138.03,476.92 ; -145.57,471.84 -138.03,476.92 ; -145.57,471.84 -138.03,476.92 ; -145.57,471.84 -138.03,476.92 ; -145.57,471.84 -138.03,476.92 ; -145.57,471.84 -138.03,476.92 ; -145.57,471.84 -138.45,476.64 ; -145.57,471.84 -138.45,476.64 ; -138.03,476.92 arc(-132.8,467.18) -136,473.67 ; -138.03,476.92 arc(-132.8,467.18) -136,473.67 ; -138.03,476.92 arc(-132.8,467.18) -136,473.67 ; -138.03,476.92 arc(-132.8,467.18) -136,473.67 ; -138.03,476.92 arc(-132.8,467.18) -136,473.67 ; -138.03,476.92 arc(-132.8,467.18) -136,473.67 ; -138.03,476.92 arc(-132.8,467.18) -136,473.67 ; -201.47,405.54 -206.73,393.4 ; -201.47,405.54 -206.73,393.4 ; -201.47,405.54 -206.73,393.4 ; -201.47,405.54 -206.73,393.4 ; -201.47,405.54 -206.53,393.86 ; -201.47,405.54 -206.73,393.4 ; -201.47,405.54 -206.73,393.4 ; -201.47,405.54 -206.73,393.4 ; -201.47,405.54 -206.53,393.86 ; -206.73,393.4 arc(-212.57,396.34) -218.04,399.93 ; -206.73,393.4 arc(-212.57,396.34) -218.04,399.93 ; -206.73,393.4 arc(-212.57,396.34) -218.04,399.93 ; -206.73,393.4 arc(-212.57,396.34) -218.04,399.93 ; -206.73,393.4 arc(-212.57,396.34) -218.04,399.93 ; -206.73,393.4 arc(-212.57,396.34) -218.04,399.93 ; -206.73,393.4 arc(-212.57,396.34) -218.04,399.93 ; -175.55,406.9 -171.07,385.87 ; -175.55,406.9 -171.07,385.87 ; -175.55,406.9 -171.17,386.36 ; -175.55,406.9 -171.07,385.87 ; -175.55,406.9 -171.07,385.87 ; -175.55,406.9 -171.07,385.87 ; -175.55,406.9 -171.07,385.87 ; -175.55,406.9 -171.07,385.87 ; -175.55,406.9 -171.17,386.36 ; -175.55,406.9 arc(-189.11,406.36) -183.89,406.02 ; -175.55,406.9 arc(-189.11,406.36) -183.89,406.02 ; -175.55,406.9 arc(-189.11,406.36) -183.89,406.02 ; -175.55,406.9 arc(-189.11,406.36) -183.89,406.02 ; -175.55,406.9 arc(-189.11,406.36) -183.89,406.02 ; -175.55,406.9 arc(-189.11,406.36) -183.89,406.02 ; -175.55,406.9 arc(-189.11,406.36) -183.89,406.02 ; -175.55,406.9 arc(-189.11,406.36) -183.89,406.02 ; -175.55,406.9 arc(-189.11,406.36) -183.89,406.02 ; -171.07,385.87 arc(-183.89,384.52) -196.72,385.87 ; -171.07,385.87 arc(-183.89,384.52) -196.72,385.87 ; -171.07,385.87 arc(-183.89,384.52) -196.72,385.87 ; -171.07,385.87 arc(-183.89,384.52) -196.72,385.87 ; -171.07,385.87 arc(-183.89,384.52) -196.72,385.87 ; -171.07,385.87 arc(-183.89,384.52) -196.72,385.87 ; -171.07,385.87 arc(-183.89,384.52) -196.72,385.87 ; -125.23,436.5 -140.04,441 ; -125.23,436.5 -140.04,441 ; -125.23,436.5 -140.04,441 ; -125.23,436.5 -140.04,441 ; -125.23,436.5 -140.04,441 ; -125.23,436.5 -140.04,441 ; -125.23,436.5 -140.04,441 ; -125.23,436.5 arc(-124.46,446.02) -125.23,455.54 ; -125.23,436.5 arc(-124.46,446.02) -125.23,455.54 ; -125.23,436.5 arc(-124.46,446.02) -125.23,455.54 ; -125.23,436.5 arc(-124.46,446.02) -125.23,455.54 ; -125.23,436.5 arc(-124.46,446.02) -125.23,455.54 ; -125.23,436.5 arc(-124.46,446.02) -125.23,455.54 ; -125.23,436.5 arc(-124.46,446.02) -125.23,455.54 ; -140.04,441 -125.72,436.58 ; -140.04,441 -125.72,436.58 ; -140.04,441 arc(-139.75,446.02) -140.04,451.04 ; -140.04,441 arc(-139.75,446.02) -140.04,451.04 ; -140.04,441 arc(-139.75,446.02) -140.04,451.04 ; -140.04,441 arc(-139.75,446.02) -140.04,451.04 ; -140.04,441 arc(-139.75,446.02) -140.04,451.04 ; -140.04,441 arc(-139.75,446.02) -140.04,451.04 ; -140.04,441 arc(-139.75,446.02) -140.04,451.04 ; -140.04,441 arc(-139.75,446.02) -140.04,451.04 ; -140.04,441 arc(-139.75,446.02) -140.04,451.04 ; -240.39,452.49 -229.98,449.22 ; -240.39,452.49 -229.98,449.22 ; -240.39,452.49 arc(-240.75,446.02) -240.39,439.55 ; -240.39,452.49 arc(-240.75,446.02) -240.39,439.55 ; -229.98,449.22 -240.88,452.55 ; -229.98,449.22 -240.88,452.55 ; -229.98,449.22 -240.88,452.55 ; -229.98,449.22 -240.88,452.55 ; -229.98,449.22 -240.88,452.55 ; -229.98,449.22 -240.88,452.55 ; -229.98,449.22 -240.88,452.55 ; -229.98,449.22 arc(-230.09,446.02) -229.98,442.82 ; -229.98,449.22 arc(-230.09,446.02) -229.98,442.82 ; -229.98,449.22 arc(-230.09,446.02) -229.98,442.82 ; -229.98,449.22 arc(-230.09,446.02) -229.98,442.82 ; -229.98,449.22 arc(-230.09,446.02) -229.98,442.82 ; -229.98,449.22 arc(-230.09,446.02) -229.98,442.82 ; -229.98,449.22 arc(-230.09,446.02) -229.98,442.82 ; -229.98,449.22 arc(-230.09,446.02) -229.98,442.82 ; -229.98,449.22 arc(-230.09,446.02) -229.98,442.82 ; -178.87,402.17 -177.36,389.03 ; -178.87,402.17 -177.36,389.03 ; -178.87,402.17 -177.42,389.53 ; -178.87,402.17 -177.42,389.53 ; -178.87,402.17 -177.36,389.03 ; -178.87,402.17 -177.36,389.03 ; -178.87,402.17 -177.36,389.03 ; -178.87,402.17 -177.36,389.03 ; -178.87,402.17 -177.36,389.03 ; -177.36,389.03 arc(-183.89,388.66) -190.42,389.03 ; -177.36,389.03 arc(-183.89,388.66) -190.42,389.03 ; -177.36,389.03 arc(-183.89,388.66) -190.42,389.03 ; -177.36,389.03 arc(-183.89,388.66) -190.42,389.03 ; -177.36,389.03 arc(-183.89,388.66) -190.42,389.03 ; -177.36,389.03 arc(-183.89,388.66) -190.42,389.03 ; -177.36,389.03 arc(-183.89,388.66) -190.42,389.03 ; -224.38,463.6 -236.05,468.67 ; -224.38,463.6 -236.51,468.87 ; -224.38,463.6 -236.05,468.67 ; -224.38,463.6 -236.51,468.87 ; -224.38,463.6 -236.51,468.87 ; -224.38,463.6 -236.51,468.87 ; -224.38,463.6 -236.51,468.87 ; -224.38,463.6 -236.51,468.87 ; -224.38,463.6 -236.51,468.87 ; -224.38,463.6 arc(-222.11,468.09) -219.35,472.3 ; -224.38,463.6 arc(-222.11,468.09) -219.35,472.3 ; -224.38,463.6 arc(-222.11,468.09) -219.35,472.3 ; -224.38,463.6 arc(-222.11,468.09) -219.35,472.3 ; -224.38,463.6 arc(-222.11,468.09) -219.35,472.3 ; -224.38,463.6 arc(-222.11,468.09) -219.35,472.3 ; -224.38,463.6 arc(-222.11,468.09) -219.35,472.3 ; -224.38,463.6 arc(-222.11,468.09) -219.35,472.3 ; -224.38,463.6 arc(-222.11,468.09) -219.35,472.3 ; -236.05,468.67 arc(-233.14,474.45) -229.58,479.87 ; -236.05,468.67 arc(-233.14,474.45) -229.58,479.87 ; -204.17,404.51 -207.94,396.78 ; -204.17,404.51 -208.16,396.34 ; -204.17,404.51 -208.16,396.34 ; -204.17,404.51 -207.94,396.78 ; -204.17,404.51 -208.16,396.34 ; -204.17,404.51 -208.16,396.34 ; -204.17,404.51 -208.16,396.34 ; -204.17,404.51 -208.16,396.34 ; -204.17,404.51 -208.16,396.34 ; -204.17,404.51 arc(-206.99,406.01) -209.71,407.7 ; -204.17,404.51 arc(-206.99,406.01) -209.71,407.7 ; -204.17,404.51 arc(-206.99,406.01) -209.71,407.7 ; -204.17,404.51 arc(-206.99,406.01) -209.71,407.7 ; -204.17,404.51 arc(-206.99,406.01) -209.71,407.7 ; -204.17,404.51 arc(-206.99,406.01) -209.71,407.7 ; -204.17,404.51 arc(-206.99,406.01) -209.71,407.7 ; -204.17,404.51 arc(-206.99,406.01) -209.71,407.7 ; -204.17,404.51 arc(-206.99,406.01) -209.71,407.7 ; -207.94,396.78 arc(-217.25,402.55) -211.29,398.57 arc(-217.25,402.55) -207.94,396.78 ; -229.57,487.2 -216.48,472.62 ; -229.57,487.2 -216.48,472.62 ; -229.57,487.2 -216.48,472.62 ; -229.57,487.2 -216.48,472.62 ; -229.57,487.2 -216.48,472.62 ; -229.57,487.2 -216.48,472.62 ; -229.57,487.2 -216.48,472.62 ; -216.48,472.62 -229.2,486.87 ; -216.48,472.62 -229.2,486.87 ; -124.23,433.3 -142.37,439.28 ; -124.23,433.3 -142.37,439.28 ; -124.23,433.3 arc(-122.89,446.02) -124.23,458.74 ; -124.23,433.3 arc(-122.89,446.02) -124.23,458.74 ; -142.37,439.28 -123.74,433.2 ; -142.37,439.28 -123.74,433.2 ; -142.37,439.28 -123.74,433.2 ; -142.37,439.28 -123.74,433.2 ; -142.37,439.28 -123.74,433.2 ; -142.37,439.28 -123.74,433.2 ; -142.37,439.28 -123.74,433.2 